# Altium PCB Passive_Sonar_Rev1.PcbDoc (part 1 of 2) (continued)
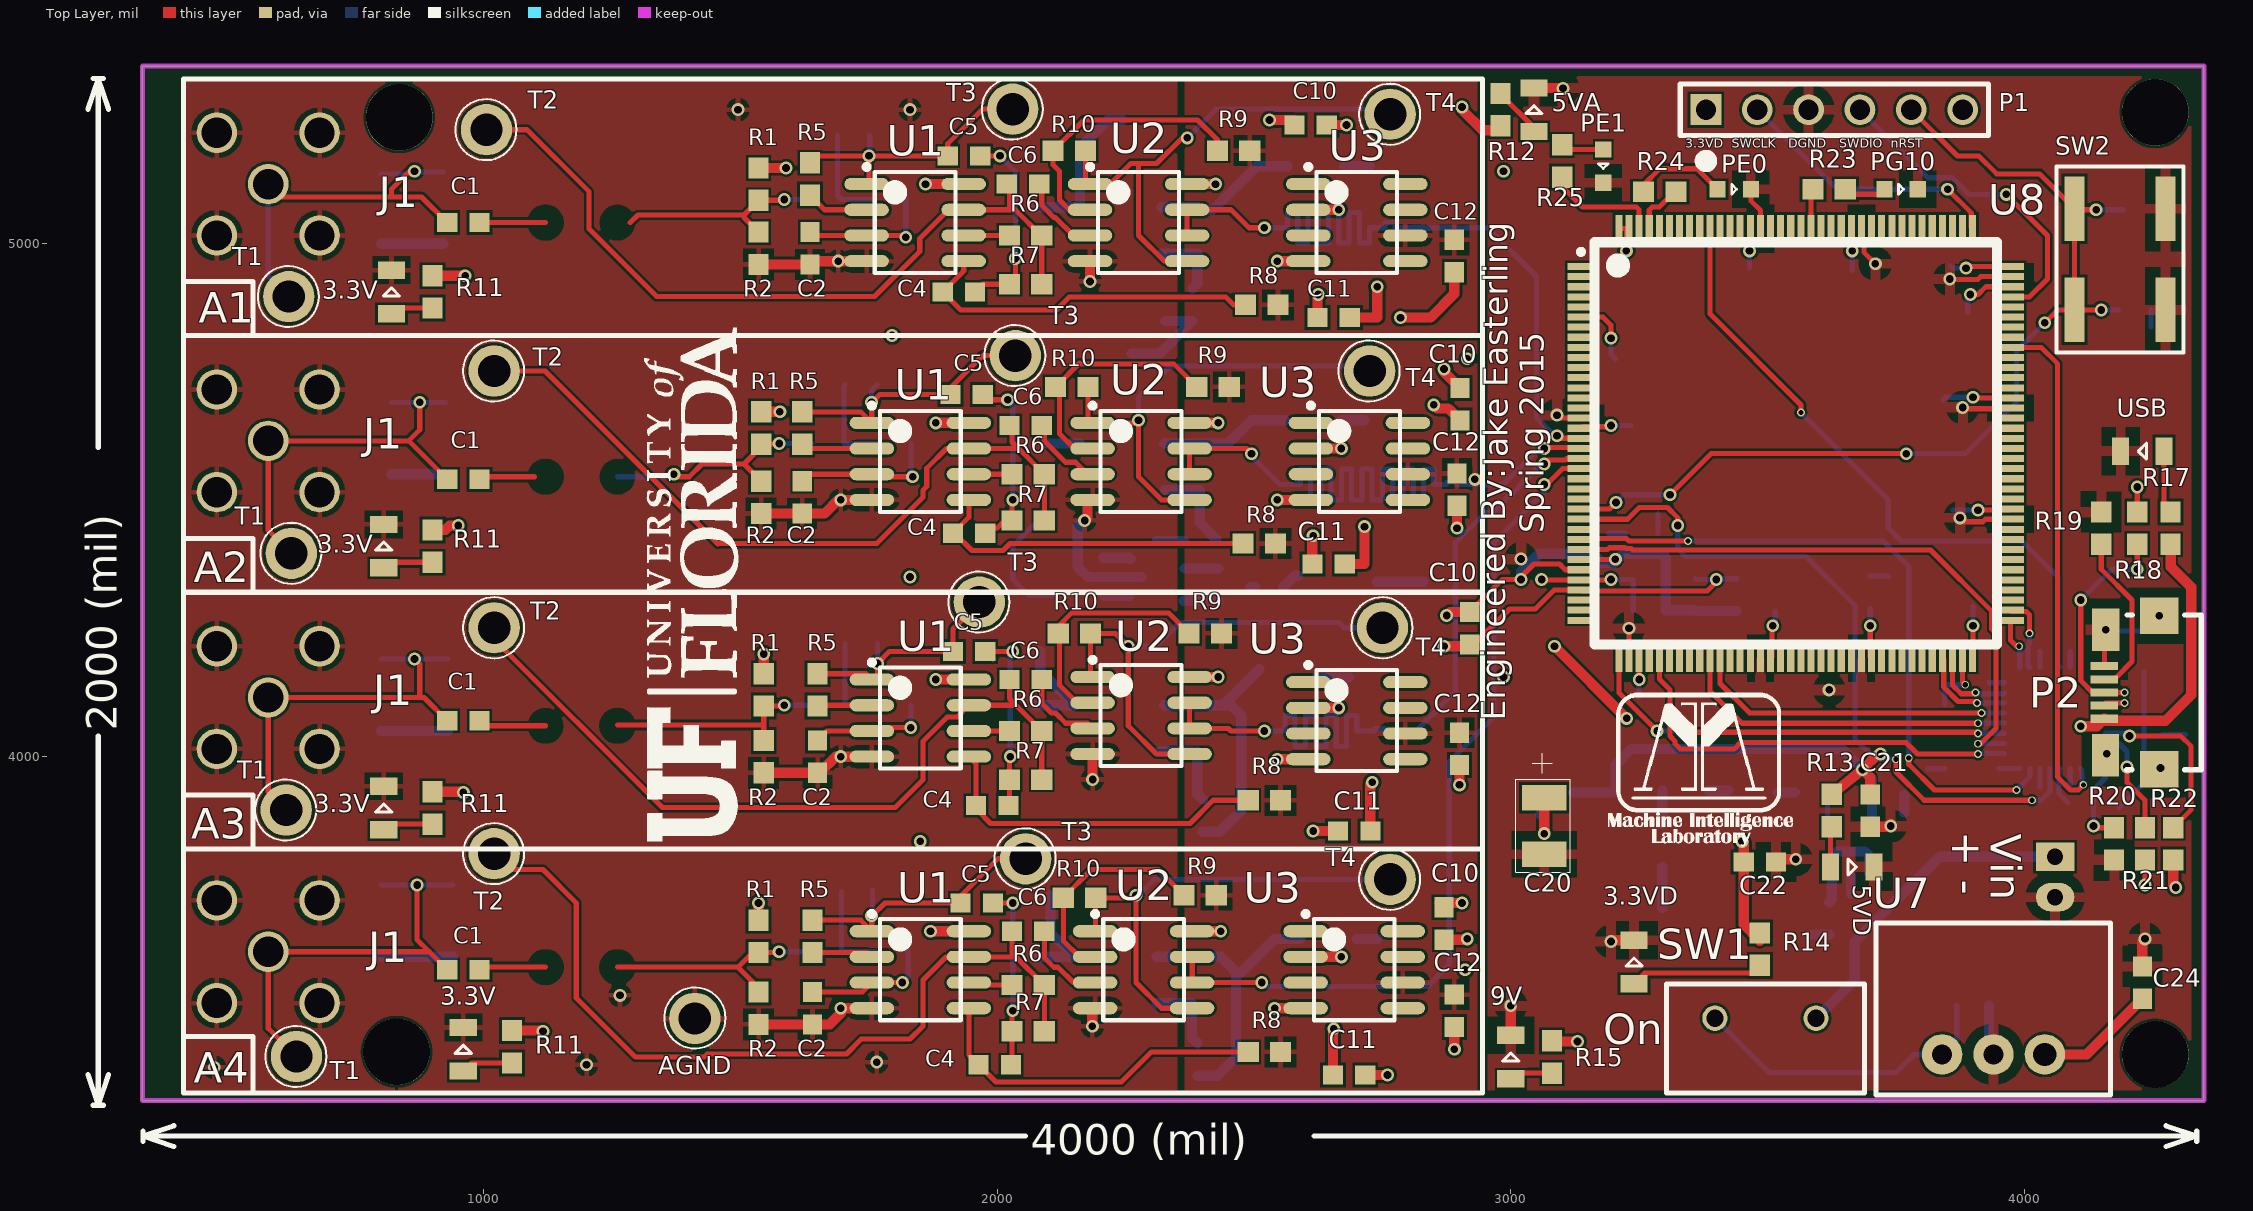
[diagram p0: Top Layer view]
## Components (designator, comment, footprint, x,y, rotation, side; value= is the part's Value field where it differs from the comment) (continued)
AGND "Test_Point" TP 1410,3490 r0 top (schematic designator T5)
C1 "Cap" CAPC0603 960,3585 r0 top
C1 "Cap" CAPC0603 960,4070 r0 top
C1 "Cap" CAPC0603 960,4540 r0 top
C1 "Cap" CAPC0603 960,5040 r0 top
C2 "Cap" CAPC0603 1640,3510 r270 top
C2 "Cap" CAPC0603 1650,4000 r270 top
C2 "Cap" CAPC0603 1620,4505 r270 top
C2 "Cap" CAPC0603 1635,4990 r270 top
C3 "Cap" CAPC0603 1725,3740 r0 bottom
C3 "Cap" CAPC0603 1735,4220 r0 bottom
C3 "Cap" CAPC0603 1735,4725 r0 bottom
C3 "Cap" CAPC0603 1720,5210 r0 bottom
C4 "Cap" CAPC0603 1995,3400 r0 top
C4 "Cap" CAPC0603 1990,3905 r0 top
C4 "Cap" CAPC0603 1945,4435 r0 top
C4 "Cap" CAPC0603 1925,4905 r0 top
C5 "Cap" CAPC0603 1960,3715 r180 top
C5 "Cap" CAPC0603 1945,4205 r180 top
C5 "Cap" CAPC0603 1940,4705 r180 top
C5 "Cap" CAPC0603 1935,5170 r180 top
C6 "Cap" CAPC0603 2060,3660 r0 top
C6 "Cap" CAPC0603 2055,4150 r0 top
C6 "Cap" CAPC0603 2055,4645 r0 top
C6 "Cap" CAPC0603 2050,5115 r0 top
C7 "CapPol" 1206 2645,3645 r180 bottom
C7 "CapPol" 1206 2565,4170 r180 bottom
C7 "CapPol" 1206 2615,4655 r180 bottom
C7 "CapPol" 1206 2620,5150 r180 bottom
C8 "Cap" CAPC0603 2135,3730 r180 bottom
C8 "Cap" CAPC0603 2115,4205 r180 bottom
C8 "Cap" CAPC0603 2230,4785 r0 bottom
C8 "Cap" CAPC0603 2275,5240 r180 bottom
C9 "Cap" CAPC0603 2390,3410 r270 bottom
C9 "Cap" CAPC0603 2400,3885 r270 bottom
C9 "Cap" CAPC0603 2395,4420 r180 bottom
C9 "Cap" CAPC0603 2380,4880 r270 bottom
C10 "Cap" CAPC0603 2870,3675 r90 top
C10 "Cap" CAPC0603 2920,4250 r90 top
C10 "Cap" CAPC0603 2901.18,4686.3 r90 top
C10 "Cap" CAPC0603 2610,5230 r0 top
C11 "Cap" CAPC0603 2685,3380 r0 top
C11 "Cap" CAPC0603 2695,3855 r180 top
C11 "Cap" CAPC0603 2645,4375 r180 top
C11 "Cap" CAPC0603 2655,4855 r180 top
C12 "Cap" CAPC0603 2890,3505 r270 top
C12 "Cap" CAPC0603 2900,4015 r270 top
C12 "Cap" CAPC0603 2895,4520 r270 top
C12 "Cap" CAPC0603 2890,4975 r270 top
C13 "Cap" CAPC0603 3735,3925 r0 bottom
C14 "Cap" CAPC0603 3090,3930 r180 bottom
C15 "Cap" CAPC0603 3620,3685 r270 bottom
C16 "Cap" CAPC0603 2365,4335 r90 bottom
C17 "Cap" CAPC0603 2430,4335 r90 bottom
C18 "Cap" CAPC0603 2525,4330 r0 bottom
C19 "Cap" CAPC0603 3845,4070 r270 bottom
C20 "CapPol" 1206 3065,3865 r270 top
C21 "Cap" CAPC0603 3700,3895 r270 top
C22 "Cap" CAPC0603 3485,3795 r0 top
C23 "Cap" CAPC0603 3900,3515 r0 bottom
C24 "Cap" CAPC0603 4230,3560 r90 top
C25 "Cap" CAPC0603 3890,4835 r270 bottom
C26 "Cap" CAPC0603 2125,4450 r0 bottom
C27 "Cap" CAPC0603 3585,3930 r180 bottom
C28 "Cap" CAPC0603 3465,4920 r270 bottom
C29 "Cap" CAPC0603 3225,4915 r270 bottom
C30 "Cap" CAPC0603 3235,4775 r0 bottom
C31 "Cap" CAPC0603 3265,4645 r0 bottom
C32 "Cap" CAPC0603 3255,4435 r0 bottom
C33 "Cap" CAPC0603 4225,5065 r0 bottom
C34 "Cap" CAPC0603 3845,3945 r270 bottom
C35 "Cap" CAPC0603 4143.5,4245 r180 bottom
C36 "Cap" CAPC0603 3250,4085 r270 bottom
C37 "Cap" CAPC0603 3515,4315 r90 bottom
C38 "Cap" CAPC0603 3700,4320 r90 bottom
C39 "Cap" CAPC0603 3900,4325 r90 bottom
C40 "Cap" CAPC0603 3830,4480 r180 bottom
C41 "Cap" CAPC0603 3810,4695 r180 bottom
C42 "Cap" CAPC0603 3825,4955 r180 bottom
C43 "Cap" CAPC0603 3665,4915 r270 bottom
C44 "Cap" CAPC0603 3270,4345 r0 bottom
C45 "Cap" CAPC0603 3270,4285 r0 bottom
C46 "Cap" CAPC0603 3360,4315 r270 bottom
C47 "Cap" CAPC0603 3440,4315 r270 bottom
C48 "Cap" CAPC0603 4275,4245 r0 bottom
C49 "Cap" CAPC0603 4280,4165 r0 bottom
D1 "1N4148W" SOD-123 800,5070 r270 bottom
D1 "1N4148W" SOD-123 800,3680 r270 bottom
D1 "1N4148W" SOD-123 800,4120 r270 bottom
D1 "1N4148W" SOD-123 820,4620 r270 bottom
D2 "1N4148W" SOD-123 921.43,5068.7 r90 bottom
D2 "1N4148W" SOD-123 940,3680 r90 bottom
D2 "1N4148W" SOD-123 930,4120 r90 bottom
D2 "1N4148W" SOD-123 925,4620 r90 bottom
J1 "MCX_Female_RA" MCX_Female 580,5115 r0 top
J1 "MCX_Female_RA" MCX_Female 580,4615 r0 top (schematic designator J2)
J1 "MCX_Female_RA" MCX_Female 580,4115 r0 top (schematic designator J3)
J1 "MCX_Female_RA" MCX_Female 580,3620 r0 top (schematic designator J4)
J5 "2-pin Horz Sherlock" MOLEX-HDR-1X2-SHERLOCK-HORZ 4060,3805 r90 bottom
MIL "MIL LOGO" "MIL LOGO - 500" 3190,3825 r0 top
NT1 "S.C." NET_TIE 2910,3585 r0 top
NT2 "S.C." NET_TIE 2910,4155 r0 top
NT3 "S.C." NET_TIE 2915,4775 r0 top
NT4 "S.C." NET_TIE 2910,5140 r0 top
P1 "SWD" SWD_STM32 3380,5260 r90 top
P2 "USB Micro" 10118192-0001LF 4135,4125 r90 top
PE0 "LED" LED0603 3435,5105 r0 top (schematic designator LED7)
PE1 "LED" LED0603 3180,5150 r270 top (schematic designator LED8)
PG10 "LED" LED0603 3760,5105 r0 top (schematic designator LED6)
R1 "Res" RES0603 1535,3650 r270 top
R1 "Res" RES0603 1545,4130 r270 top
R1 "Res" RES0603 1540,4640 r270 top
R1 "Res" RES0603 1535,5115 r270 top
R2 "Res" RES0603 1535,3510 r270 top
R2 "Res" RES0603 1545,4000 r270 top
R2 "Res" RES0603 1540,4505 r270 top
R2 "Res" RES0603 1535,4990 r270 top
R3 "Res" RES0603 1665,3620 r0 bottom
R3 "Res" RES0603 1670,4100 r0 bottom
R3 "Res" RES0603 1670,4610 r0 bottom
R3 "Res" RES0603 1665,5085 r0 bottom
R4 "Res" RES0603 1795,3620 r0 bottom
R4 "Res" RES0603 1800,4100 r0 bottom
R4 "Res" RES0603 1800,4610 r0 bottom
R4 "Res" RES0603 1790,5085 r0 bottom
R5 "Res" RES0603 1640,3650 r90 top
R5 "Res" RES0603 1650,4130 r90 top
R5 "Res" RES0603 1620,4640 r90 top
R5 "Res" RES0603 1635,5125 r90 top
R6 "Res" RES0603 2060,3555 r0 top
R6 "Res" RES0603 2055,4050 r0 top
R6 "Res" RES0603 2060,4550 r0 top
R6 "Res" RES0603 2055,5015 r0 top
R7 "Res" RES0603 2060,3465 r180 top
R7 "Res" RES0603 2055,3955 r180 top
R7 "Res" RES0603 2060,4460 r180 top
R7 "Res" RES0603 2055,4920 r180 top
R8 "Res" RES0603 2520,3425 r0 top
R8 "Res" RES0603 2520,3915 r0 top
R8 "Res" RES0603 2510,4415 r0 top
R8 "Res" RES0603 2515,4880 r0 top
R9 "Res" RES0603 2395,3730 r180 top
R9 "Res" RES0603 2405,4240 r180 top
R9 "Res" RES0603 2420,4720 r180 top
R9 "Res" RES0603 2460,5180 r180 top
R10 "Res" RES0603 2160,3725 r0 top
R10 "Res" RES0603 2150,4240 r0 top
R10 "Res" RES0603 2145,4720 r0 top
R10 "Res" RES0603 2140,5180 r0 top
R11 "Res" RES0603 1055,3435 r270 top
R11 "Res" RES0603 900,3900 r270 top
R11 "Res" RES0603 900,4410 r270 top
R11 "Res" RES0603 900,4905 r270 top
R12 "Res" RES0603 2980,5260 r90 top
R13 "Res" RES0603 3625,3895 r270 top
R14 "Res" RES0603 3485,3625 r270 top
R15 "Res" RES0603 3080,3415 r270 top
R16 "Res" RES0603 4215,4870 r180 bottom
R17 "Res" RES0603 4285,4445 r270 top
R18 "Res" RES0603 4220,4445 r270 top
R19 "Res" RES0603 4150,4445 r90 top
R20 "Res" RES0603 4175,3830 r270 top
R21 "Res" RES0603 4235,3830 r270 top
R22 "Res" RES0603 4290,3830 r270 top
R23 "Res" RES0603 3620,5105 r180 top
R24 "Res" RES0603 3290,5100 r0 top
R25 "Res" RES0603 3100,5160 r270 top
SW1 "360-2610-ND" AS11CP -44260,-45415 r180 top
SW2 "PBSW" PBSW 4275,4870 r90 top
T1 "Test_Point" TP 635,3415 r90 top
T1 "Test_Point" TP 615,3895 r90 top
T1 "Test_Point" TP 625,4395 r90 top
T1 "Test_Point" TP 620,4895 r90 top
T2 "Test_Point" TP 1020,3810 r90 top
T2 "Test_Point" TP 1020,4250 r90 top
T2 "Test_Point" TP 1020,4750 r90 top
T2 "Test_Point" TP 1005,5220 r90 top
T3 "Test_Point" TP 2055,3800 r90 top
T3 "Test_Point" TP 1965,4300 r90 top
T3 "Test_Point" TP 2035,4780 r90 top
T3 "Test_Point" TP 2030,5260 r90 top
T4 "Test_Point" TP 2765,3760 r90 top
T4 "Test_Point" TP 2750,4250 r90 top
T4 "Test_Point" TP 2725,4750 r90 top
T4 "Test_Point" TP 2765,5250 r90 top
U1 "LT1632" SOIC127P600-8N 1850,3585 r0 top
U1 "LT1632" SOIC127P600-8N 1850,4075 r0 top
U1 "LT1632" SOIC127P600-8N 1850,4575 r0 top
U1 "LT1632" SOIC127P600-8N 1840,5040 r0 top
U2 "LT1632" SOIC127P600-8N 2285,3585 r0 top
U2 "LT1632" SOIC127P600-8N 2280,4080 r0 top
U2 "LT1632" SOIC127P600-8N 2280,4575 r0 top
U2 "LT1632" SOIC127P600-8N 2275,5040 r0 top
U3 "REF192FSZ-ND 2.5V Ref" SOIC2.5-8n 2695,3585 r0 top
U3 "REF192FSZ-ND 2.5V Ref" SOIC2.5-8n 2700,4070 r0 top
U3 "REF192FSZ-ND 2.5V Ref" SOIC2.5-8n 2705,4575 r0 top
U3 "REF192FSZ-ND 2.5V Ref" SOIC2.5-8n 2700,5040 r0 top
U4 "3.3V LDO Reg" SOT23-4n 2275,5065 r180 bottom
U4 "3.3V LDO Reg" SOT23-4n 2265,3610 r180 bottom
U4 "3.3V LDO Reg" SOT23-4n 2275,4100 r180 bottom
U4 "3.3V LDO Reg" SOT23-4n 2280,4610 r180 bottom
U5 "LP2992" SOT23-5 2160,4350 r180 bottom
U6 "LP2992" SOT23-5 3662.5,3815 r90 bottom
U7 "R-78C9.0-1.0" R-78C12-1.0 3840,3420 r0 top
U8 "STM32F407" LQFP-144 3555,4610 r0 top
U9 "USB3320C" QFN-32 4060,4075 r0 bottom
U10 "MCP1700T" SOT23-3 4273.58,4043.06 r180 bottom
U15 "3.3V LDO Reg" SOT23-4n 3295,3820 r270 bottom
USB "LED" LED0805 4230,4595 r180 top

## Footprints (in the part's own frame and the unit in brackets; to place one, negate y for a bottom-side part, rotate by r counter-clockwise, add the part's x,y. Pads: shape width x height; smd on the part's side, far side on the other; paste and mask are expansions set on the pad)
1206 [mil]
  rect 50x87 smd: 1(-55,0) 2(55,0)
  silkscreen extent -142,-55 91,51, body extent -75,-43 75,43, height 75
10118192-0001LF [mm] "USB Micro-B Recepticle"
  rect 0.4x1.35 smd: 1(-1.3,-0.533) 2(-0.65,-0.533) 3(0,-0.533) 4(0.65,-0.533) 5(1.3,-0.533)
  rect 1.8x1.9 smd: SHD(-3.8,-3.248) SHD(3.8,-3.248)
  rect 2.1x1.35 smd: SHD(-3.1,-0.584) SHD(3.1,-0.598)
  silkscreen extent -3.83,-5.33 3.83,-1.63, body extent -3.96,-5.98 3.96,-0.32, height 3.09
AS11CP [mm] "SPST Slide Switch"
  round 1.25 hole 0.85: 1(-1215.5,-1242.2) 2(-1210.5,-1242.2)
  silkscreen extent -1217.9,-1243.9 -1208.1,-1238.5, body extent -1218,-1243.8 -1208.2,-1238.42, height 12.9
CAPC0603 [mm] "Chip Capacitor, 2-Leads, Body 1.60x0.80mm, IPC Medium Density"
  rect 1x0.95 smd: 1(-0.8,0) 2(0.8,0)
  body extent -0.88,-0.48 0.87,0.48, height 0.8
LED0603 [mm] "Chip LED, 2-Leads, Body 1.60x0.80mm, IPC Medium Density"
  rect 0.8x0.8 smd: A(-0.825,0) C(0.825,0)
  silkscreen extent -0.13,-0.25 0.12,0.25, body extent -0.88,-0.48 0.87,0.47, height 0.8
LED0805 [mm] "Chip LED, 2-Leads, Body 2.00x1.25mm, IPC Medium Density"
  rect 0.85x1.35 smd: A(-1.075,0) C(1.075,0)
  silkscreen extent -0.2,-0.4 0.2,0.4, body extent -1,-0.63 1,0.63, height 0.75
LQFP-144 [mm] "For STM32F407"
  rect 1.35x0.35 smd: 1(-10.625,8.75) 2(-10.625,8.25) 3(-10.625,7.75) 4(-10.625,7.25) 5(-10.625,6.75) 6(-10.625,6.25) 7(-10.625,5.75) 8(-10.625,5.25) 9(-10.625,4.75) 10(-10.625,4.25) 11(-10.625,3.75) 12(-10.625,3.25) 13(-10.625,2.75) 14(-10.625,2.25) 15(-10.625,1.75) 16(-10.625,1.25) 17(-10.625,0.75) 18(-10.625,0.25) 19(-10.625,-0.25) 20(-10.625,-0.75) 21(-10.625,-1.25) 22(-10.625,-1.75) 23(-10.625,-2.25) 24(-10.625,-2.75) 25(-10.625,-3.25) 26(-10.625,-3.75) 27(-10.625,-4.25) 28(-10.625,-4.75) 29(-10.625,-5.25) 30(-10.625,-5.75) 31(-10.625,-6.25) 32(-10.625,-6.75) 33(-10.625,-7.25) 34(-10.625,-7.75) 35(-10.625,-8.25) 36(-10.625,-8.75) 73(10.625,-8.75) 74(10.625,-8.25) 75(10.625,-7.75) 76(10.625,-7.25) 77(10.625,-6.75) 78(10.625,-6.25) 79(10.625,-5.75) 80(10.625,-5.25) 81(10.625,-4.75) 82(10.625,-4.25) 83(10.625,-3.75) 84(10.625,-3.25) 85(10.625,-2.75) 86(10.625,-2.25) 87(10.625,-1.75) 88(10.625,-1.25) 89(10.625,-0.75) 90(10.625,-0.25) 91(10.625,0.25) 92(10.625,0.75) 93(10.625,1.25) 94(10.625,1.75) 95(10.625,2.25) 96(10.625,2.75) 97(10.625,3.25) 98(10.625,3.75) 99(10.625,4.25) 100(10.625,4.75) 101(10.625,5.25) 102(10.625,5.75) 103(10.625,6.25) 104(10.625,6.75) 105(10.625,7.25) 106(10.625,7.75) 107(10.625,8.25) 108(10.625,8.75)
  rect 0.35x1.35 smd: 37(-8.75,-10.625) 38(-8.25,-10.625) 39(-7.75,-10.625) 40(-7.25,-10.625) 41(-6.75,-10.625) 42(-6.25,-10.625) 43(-5.75,-10.625) 44(-5.25,-10.625) 45(-4.75,-10.625) 46(-4.25,-10.625) 47(-3.75,-10.625) 48(-3.25,-10.625) 49(-2.75,-10.625) 50(-2.25,-10.625) 51(-1.75,-10.625) 52(-1.25,-10.625) 53(-0.75,-10.625) 54(-0.25,-10.625) 55(0.25,-10.625) 56(0.75,-10.625) 57(1.25,-10.625) 58(1.75,-10.625) 59(2.25,-10.625) 60(2.75,-10.625) 61(3.25,-10.625) 62(3.75,-10.625) 63(4.25,-10.625) 64(4.75,-10.625) 65(5.25,-10.625) 66(5.75,-10.625) 67(6.25,-10.625) 68(6.75,-10.625) 69(7.25,-10.625) 70(7.75,-10.625) 71(8.25,-10.625) 72(8.75,-10.625) 109(8.75,10.625) 110(8.25,10.625) 111(7.75,10.625) 112(7.25,10.625) 113(6.75,10.625) 114(6.25,10.625) 115(5.75,10.625) 116(5.25,10.625) 117(4.75,10.625) 118(4.25,10.625) 119(3.75,10.625) 120(3.25,10.625) 121(2.75,10.625) 122(2.25,10.625) 123(1.75,10.625) 124(1.25,10.625) 125(0.75,10.625) 126(0.25,10.625) 127(-0.25,10.625) 128(-0.75,10.625) 129(-1.25,10.625) 130(-1.75,10.625) 131(-2.25,10.625) 132(-2.75,10.625) 133(-3.25,10.625) 134(-3.75,10.625) 135(-4.25,10.625) 136(-4.75,10.625) 137(-5.25,10.625) 138(-5.75,10.625) 139(-6.25,10.625) 140(-6.75,10.625) 141(-7.25,10.625) 142(-7.75,10.625) 143(-8.25,10.625) 144(-8.75,10.625)
  silkscreen extent -10.75,-9.95 9.95,9.95, body extent -9.95,-9.95 9.95,9.95, height 1.6
MCX_Female [mm] "MCX_female CONN JACK RCPT R/A"
  round 2 hole 1.5: 1(0,0) 2(-2.54,-2.54) 2(-2.54,2.54) 2(2.54,-2.54) 2(2.54,2.54)
  body extent -2.95,-3.07 6.55,2.93, height 5.9
"MIL LOGO - 500" [mil]
  silkscreen extent 0,0 359,299
MOLEX-HDR-1X2-SHERLOCK-HORZ [mm]
  rect 1.397x1.905 hole 0.8: 1(0,0)
  oval 1.397x1.905 hole 0.8: 2(-2,0)
  silkscreen extent -4.83,-1.91 2.92,6.98, body extent -4.83,-1.9 2.87,8.6, height 5.54
NET_TIE [mm] "Connects two nets together"
  rect 1x1 on Mid2: 1(0,0) 2(1.975,0)
  Ground lines w0.525: 0.025,0 1.925,0
PBSW [mm]
  rect 3.2x1 smd: 1(0,0) 2(5,0) 3(5,4.5) 4(0,4.5)
  silkscreen extent -2.1,-0.9 7.1,5.4, body extent -2,-0.75 7,5.25, height 5
QFN-32 [mm] "QFN, 32-Leads, Body 5.00x5.00mm, Pitch 0.50mm, Thermal Pad 3.30x3.30mm, IPC Medium Density"
  rect 0.8x0.28 smd: 1(-2.5,1.75) 2(-2.5,1.25) 3(-2.5,0.75) 4(-2.5,0.25) 5(-2.5,-0.25) 6(-2.5,-0.75) 7(-2.5,-1.25) 8(-2.5,-1.75) 17(2.5,-1.75) 18(2.5,-1.25) 19(2.5,-0.75) 20(2.5,-0.25) 21(2.5,0.25) 22(2.5,0.75) 23(2.5,1.25) 24(2.5,1.75)
  rect 0.28x0.8 smd: 9(-1.75,-2.5) 10(-1.25,-2.5) 11(-0.75,-2.5) 12(-0.25,-2.5) 13(0.25,-2.5) 14(0.75,-2.5) 15(1.25,-2.5) 16(1.75,-2.5) 25(1.75,2.5) 26(1.25,2.5) 27(0.75,2.5) 28(0.25,2.5) 29(-0.25,2.5) 30(-0.75,2.5) 31(-1.25,2.5) 32(-1.75,2.5)
  rect 3.3x3.3 smd: 33(0,0)
  silkscreen extent -3.47,-2.7 2.7,2.7, body extent -2.62,-2.59 2.59,2.62, height 1.22
R-78C12-1.0 [mm] "CONV DC/DC 1A 12V OUT SIP VERT"
  round 2 hole 1: 1(0,0) 2(2.54,0)
  round 2 hole 1.15: 3(5.08,0)
  silkscreen extent -3.26,-2 8.34,6.5, body extent -3.2,-1.9 8.3,6.5, height 10.8
RES0603 [mm] "Chip Resistor, 2-Leads, Body 1.60x0.80mm, IPC Medium Density"
  rect 1.05x1 smd: 1(-0.8,0) 2(0.8,0)
  body extent -0.88,-0.48 0.87,0.47, height 0.8
SOD-123 [mm] "For 1N4148W Diode"
  rect 0.85x0.85 smd: 1(-1.778,0) 2(1.778,0)
  silkscreen extent -1.65,-0.89 1.65,1.02
SOIC2.5-8n [mm] "For 2.5V ref IC"
  oval 2.2x0.6 smd: 1(-2.4,1.905) 2(-2.4,0.635) 3(-2.4,-0.635) 4(-2.4,-1.905) 5(2.4,-1.905) 6(2.4,-0.635) 7(2.4,0.635) 8(2.4,1.905)
  silkscreen extent -2.52,-2.5 2,2.88, body extent -2,-2.5 2,2.5, height 1.75
SOIC127P600-8N [mm] "For LT1632"
  oval 2.2x0.6 smd: 1(-2.4,1.905) 2(-2.4,0.635) 3(-2.4,-0.635) 4(-2.4,-1.905) 5(2.4,-1.905) 6(2.4,-0.635) 7(2.4,0.635) 8(2.4,1.905)
  silkscreen extent -2.52,-2.5 2,2.88, body extent -2,-2.5 2,2.5, height 1.76
SOT23-3 [mm] "For 1.8V LDO"
  rect 0.65x1.05 smd: 1(-0.95,-2.323) 2(0.95,-2.323) 3(0,-0.025)
  silkscreen extent -1.52,-1.52 1.52,-0.76, body extent -1.47,-1.91 1.52,-0.36, height 1
SOT23-4n [mm] "SOT223, 4-Leads, Body 6.50x7.00mm (avg), Pitch 2.30mm, IPC Medium Density"
  rect 2.4x1 smd: 1(-2.9,2.3) 2(-2.9,0) 3(-2.9,-2.3)
  rect 2.4x3.2 smd: 4(2.9,0)
  silkscreen extent -3.03,-3.35 1.4,3.47, body extent -1.85,-3.35 1.85,3.35, height 1.7
SOT23-5 [mm] "Used for LP2992"
  rect 1.1x0.6 smd: 1(-1.2,0.95) 2(-1.2,0) 3(-1.2,-0.95) 4(1.2,-0.95) 5(1.2,0.95)
  silkscreen extent -1.33,-1.55 0.25,1.92, body extent -0.87,-1.52 0.87,1.53, height 0.25
SWD_STM32 [mil] "SWD connector matching the pinout on STM Discovery Boards"
  rect 60x60 hole 39.37: 1(0,0)
  round 60 hole 39.37: 2(0,-100) 3(0,-200) 4(0,-300) 5(0,-400) 6(0,-500)
  silkscreen extent -110,-550 50,50
TP [mm]
  round 2.54 hole 1.6: 1(0.025,0)
  silkscreen extent -1.48,-1.49 1.54,1.54, body extent -1.59,-1.59 1.59,1.59, height 5.58
"UF LOGO-1000" [mil]
  silkscreen extent 0,0 1000,183

## Part data
AGND T1 T1 T1 T1 T2 T2 T2 T2 T3 T3 T3 T3 T4 T4 T4 T4: "TEST POINT PC COMPACT .063\"D"
D1 D1 D1 D1 D2 D2 D2 D2: "DIODE GEN PURP 75V 150MA SOD123"
J1 J1 J1 J1: "CONN MCX JACK R/A 50 OHM PCB"
J5: library part MOLEX-HDR-1x2-SHERLOCK_RA, "Header, Molex, 2mm Pitch Sherlock Header, Single Row, Horizontal, 2 Circuits, Length 3.3mm,  0353630260"
NT1 NT2 NT3 NT4: library part Net_Tie
P1: library part SWD_STM32, "SWD connector matching the pinout on STM Discovery Boards"
P2: "USB Mini B Metal Shield SMT"
SW1: library part AS11CP, "SWITCH SLIDE SPST 0.4VA 28V"
SW2: library part SW-PB, "Push Button Switch"
U1 U1 U1 U1 U2 U2 U2 U2: "IC OPAMP GP 45MHZ RRO 8SO"
U3 U3 U3 U3: library part Ref2.5V, "IC VREF SERIES 2.5V 8SOIC"
U4 U4 U4 U4 U15: library part LM3940IMPX-3.3, "IC REG LDO 3.3V 1A SOT223"
U5 U6: "IC REG LDO 5V 0.25A SOT23-5"
U7: library part R-78C9-1.0, "945-1396-5-ND"
U8: library part STM32F407ZGT6, "IC MCU 32BIT 1MB FLASH 144LQFP"
U9: "MULTI-FREQ USB 2.0 ULPI PHY"
U10: library part "LDO 1.8V", "IC REG LDO 1.8V 0.2A SOT23-3"

## Free pads (board coordinates)
  round 130 hole 130: ""(830,3425) ""(835,5245) ""(4255,3420) ""(4255,5255)

## Via types
v1: diameter 25, hole 15, Top Layer to Bottom Layer, tented both sides, 79 vias
v2: diameter 25, hole 15, Top Layer to Ground, tented top, 46 vias
v3: diameter 25, hole 15, Top Layer to Power, tented top, 41 vias
v4: diameter 25, hole 15, Ground to Bottom Layer, tented bottom, 34 vias
v5: diameter 25, hole 15, Power to Bottom Layer, tented bottom, 29 vias
v6: diameter 15, hole 10, Top Layer to Bottom Layer, tented both sides, 19 vias
v7: diameter 25, hole 15, Top Layer to Bottom Layer, 1 vias

## Nets (pads, with @x,y where several pads share a name; then routed paths per layer and width w, separated by ;. In a path a pad name is that pad's centre, name@x,y a point inside that pad or via, vN(x,y) a via of type N, cw(c..) or ccw(c..) an arc to the next point about the centre after c; other vN are vias at no path point)
1: 
1.8V: C49.1 U9.28 U9.30 U10.2 | length 577.7
  Power w10: v5(4025,3940) 4060,3905 v5@4190,3905
  Bottom Layer w10: v5@4030.47,3940.47 U9.30@4030.47,3976.57 ; U9.28@4069.84,3976.57 4067.5,3974.23 4067.5,3927.5 v5(4085,3910) ; v5(4185,3900) 4185,3900.42 U10.2@4236.18,3951.6 4233.5,3954.28 C49.1@4233.5,4165
2.5VREF: C12.1@2895,4551.5 C44.1 C45.1 R8.2@2541.5,4415 R9.1@2451.5,4720 U3.6@2799.49,4550 U8.32 | length 486.6
  Top Layer w10: v3@3060,4344.25 U8.32@3136.69,4344.25 v1@3189.25,4344.25
  Power w10: v3(2930,4540) 3060,4410 v3(3060,4345)
  Bottom Layer w10: v1@3190,4345 v1(3195,4345) C44.1@3238.5,4345 C45.1@3238.5,4285
3: 
3.3VA1: C7.1 C9.1 C10.1 C11.1 C46.1 C47.1 R1.1 R11.1 U1.8 U2.8 U3.2 U4.3 U8.33 | length 7659.3
  Top Layer w10: C10.1@2920,4218.5 2928.5,4218.5 2997.5,4287.5 3047.5,4287.5 3084.57,4324.57 U8.33@3136.69,4324.57 3138.76,4322.5 3382.5,4322.5 3400,4340 v1(3400,4345)
  Top Layer w20: R11.1@900,3931.5 v3@958.5,3931.5 ; R11.1@900,4441.5 925,4441.5 933.5,4450 v3(950,4450) ; R11.1@900,4936.5 v3(963.5,4936.5) ; R11.1@1055,3466.5 v3@1113.5,3466.5 ; R1.1@1535,3681.5 v3(1535,3715) ; R1.1@1535,5146.5 v3(1588.5,5146.5) ; R1.1@1540,4671.5 v3(1576.5,4671.5) ; R1.1@1545,4161.5 v3(1545,4200) ; v3@1864.49,5115 U1.8@1925,5115 ; v3(1870,3660) U1.8@1944.49,3660 ; v3@1879.49,4650 U1.8@1945,4650 ; v3@1883.98,4150 U1.8@1944.49,4150 ; U2.8@2369.49,3660 v3(2435,3660) ; U2.8@2369.49,4155 v3(2430,4155) ; U2.8@2369.49,4650 v3(2430,4650) ; U2.8@2369.49,5115 v3(2425,5115) ; v3(2530,5240) C10.1@2578.5,5240 ; U3.2@2605.51,3610 v3(2670,3610) ; U3.2@2605.51,4095 v3(2665,4095) ; U3.2@2610.51,4600 v3(2670,4600) ; U3.2@2610.51,5065 v3(2665,5065) ; C11.1@2653.5,3380 v3@2653.5,3468.5 ; C11.1@2676.5,4375 2715,4375 v3(2715,4447.94) ; C11.1@2686.5,4855 2740,4855 v3(2740,4915) ; C11.1@2726.5,3855 2726.5,3946.5 v3(2730,3950) ; v3(2850,4685) 2856.89,4678.11 2877.87,4678.11 C10.1@2901.18,4654.8 ; C10.1@2870,3643.5 2913.5,3643.5 v3(2915,3645) ; v3@2876.5,4215 C10.1@2905,4215
  Power w20: v3(950,4450) 950,4445 975,4470 1005,4470 ; v3(960,3930) 1035,4005 1458.5,4005 1545,4091.5 v3(1545,4200) ; v3@970,4930 v3(963.5,4936.5) 963.5,4938.5 1005,4980 1525,4980 1525,5075 1588.5,5138.5 v3(1588.5,5146.5) ; 1000,4470 1005,4470 ; v3(1115,3465) 1285,3465 v3(1535,3715) ; v3(1576.5,4671.5) 1566.5,4671.5 1490,4595 1490,4525 1435,4470 1005,4470 ; v3(2425,5115) 2460,5115 2530,5185 v3(2530,5240) ; v3(2670,3610) 2705,3645 v5(2740,3645) v3(2915,3645) 2915,3655 2870,3700 2870,3770 2755,3885 2755,3925 v3(2730,3950) ; v5(2685,4155) 2705,4135 2790,4135 v3(2870,4215) 2835,4250 2835,4285 2780,4340 2780,4415 2747.06,4447.94 v3(2715,4447.94) ; v3(2740,4915) 2740,4845 2745,4845 2805,4785 2805,4730 v3(2850,4685)
  Bottom Layer w10: C46.1@3360,4346.5 3361.5,4345 v1@3395,4345 ; v1(3400,4345) 3401.5,4346.5 C47.1@3440,4346.5
  Bottom Layer w20: v5@2310.55,3519.45 U4.3@2379.17,3519.45 2379.17,3452.32 C9.1@2390,3441.5 ; v5@2315.55,4009.45 U4.3@2379.17,4009.45 ; v5(2320.55,4979.45) 2389.17,4979.45 2389.17,4920.67 C9.1@2380,4911.5 ; v5@2325.55,4519.45 U4.3@2389.17,4519.45 ; U4.3@2389.17,4009.45 2389.17,3927.32 C9.1@2400,3916.5 ; U4.3@2394.17,4519.45 2394.17,4456 C9.1@2426.5,4423.68 ; C7.1@2620.62,4154.17 v5@2684.17,4154.17 ; C7.1@2670,4655 v5@2715,4655 ; C7.1@2675,5150 v5(2725,5150) ; C7.1@2700,3645 v5(2740,3645)
  other v3: 2655,3470 1880,4150 1880,4650 1860,5115
  other v5: 2310,3520 2315,4010 2325,4520 2715,4655.83
3.3VD: C20.1 C22.1 C28.1 C29.1 C30.1 C31.1 C32.1 C34.1 C35.1 C36.1 C37.1 C38.1 C39.1 C40.1 C41.1 C42.1 C43.1 C48.1 P1.1 R14.1 R16.1 R18.1 R21.2 U8.6 U8.17 U8.30 U8.39 U8.52 U8.62 U8.72 U8.84 U8.95 U8.108 U8.121 U8.131 U8.143 U8.144 U9.8 U9.11 U9.14 U9.20 U9.21 U9.27 U9.32 U10.3 U15.3 | length 2147
  Top Layer w10: U8.30@3136.69,4383.62 v3@3203.62,4383.62 ; U8.17@3136.69,4639.53 3139.49,4642.32 3192.32,4642.32 v1(3195,4645) ; U8.6@3136.69,4856.06 3178.94,4856.06 3195,4840 v1(3195,4815) ; U8.144@3210.51,5028.31 U8.143@3230.2,5028.31 3225,5023.11 v1(3225,4985) ; U8.39@3249.88,4191.69 3249.88,4150.12 v1(3250,4150) ; v1(3465,4985) 3465,5026.89 U8.131@3466.42,5028.31 ; U8.52@3505.79,4191.69 3508.58,4194.49 3508.58,4253.58 v1(3510,4255) ; U8.121@3663.27,5028.31 3665,5026.57 v1(3665,4985) ; v1(3700,4255) 3700,4194.33 U8.62@3702.64,4191.69 ; v1(3886.61,4951.39) 3889.71,4954.49 U8.108@3973.31,4954.49 ; U8.72@3899.49,4191.69 3900,4192.2 v1(3900,4255) ; v1@3901.42,4698.58 U8.95@3973.31,4698.58 ; v1(3910,4480) 3971.26,4480 U8.84@3973.31,4482.05 ; R18.1@4220,4476.5 v3(4220,4525) ; v3(4235,3750) R21.2@4235,3798.5
  Top Layer w20: v3(3065,3850) C20.1@3065,3929.17 ; v3@3453.5,3833.5 3453.5,3672.99 R14.1@3485,3641.5
  Bottom Layer w10: v5(3190,4435) C32.1@3223.5,4435 ; v1(3195,4645) C31.1@3233.5,4645 ; v1(3195,4815) 3195,4783.5 C30.1@3203.5,4775 ; C29.1@3225,4946.5 v1(3225,4985) ; C36.1@3250,4116.5 v1(3250,4150) v1@3250,4155 ; C28.1@3465,4951.5 v1(3465,4985) ; v1(3510,4255) 3515,4260 C37.1@3515,4283.5 ; C43.1@3665,4946.5 v1(3665,4985) ; v1(3700,4255) C38.1@3700,4288.5 ; v5@3811.5,3976.5 C34.1@3845,3976.5 ; C41.1@3841.5,4695 3846.5,4700 v1(3900,4700) ; C42.1@3856.5,4955 3860.11,4951.39 v1(3886.61,4951.39) ; C40.1@3861.5,4480 v1(3910,4480) ; v1(3900,4255) C39.1@3900,4293.5 ; v5@3931.1,4143.9 U9.8@3961.57,4143.9 ; v5@3950,3976.57 U9.32@3991.1,3976.57 ; v5(4030,4205) 4030.47,4204.53 U9.11@4030.47,4173.43 ; v5@4089.53,3945.47 U9.27@4089.53,3976.57 ; U9.14@4089.53,4173.43 v5(4089.53,4204.53) ; 4145,4075 v5(4190,4075) ; C35.1@4175,4245 C48.1@4243.5,4245 ; v5@4246.5,4836.5 R16.1@4246.5,4870 ; U10.3@4269.58,4043.06 v5(4313.58,4043.06)
  Bottom Layer w20: U15.3@3385.55,3934.17 v5@3424.17,3934.17
  other v3: 3450,3835 3203.62,4384.37
  other v5: 3425,3935 4090,3945 3810,3975 3950,3975 3925,4145 4210,4245 4245,4835
5VA: C8.1 C16.1 C17.1 R12.1 U4.1 U5.5 | length 168.4
  Top Layer w20: v1(2905,5265) 2905,5260 2945,5220 R12.1@2985,5220
  Bottom Layer w20: C16.1@2363.15,4303.5 C16.1@2365,4303.5 C17.1@2430,4303.5
5VD: C13.1 C14.1 C21.1 P2.1 R13.1 R17.2 R22.2 U6.5 U15.1 | length 2544.8
  Top Layer w20: R13.1@3625,3926.5 v1(3685,3975) ; C21.1@3700,3926.5 3700,3960 v1(3685,3975) ; v3(3720,4005) 3715,4005 v1(3685,3975) ; v3(4110,4059.29) 4141.47,4059.29 P2.1@4156,4073.82 4159.82,4070 4275,4070 4325,4120 4325,4330.04 4285,4370.04 R17.2@4285,4413.5 ; R22.2@4290,3798.5 4290,3750 v3(4295,3745)
  Power w20: v3(3720,4005) 3726.41,4005 3780.71,4059.29 3780.71,4110.71 3865,4195 3974.29,4195 v3(4110,4059.29) 4144.29,4025 4144.29,3980.71 4185,3940 4260,3940 4295,3905 v3(4295,3745)
  Bottom Layer w20: C14.1@3121.5,3930 3200.28,3930 U15.1@3204.45,3934.17 3204.45,3984.45 3235,4015 3645,4015 v1(3685,3975) 3703.5,3956.5 C13.1@3703.5,3925 3703.5,3865.85 U6.5@3699.9,3862.24
AGND: 3.3V.C AGND.1 C2.2 C7.2 C8.2 C9.2 C10.2 C11.2 C12.2 C44.2 C45.2 C46.2 C47.2 D1.2 D2.1 J1.2 NT1.1 NT2.1 NT3.1 NT4.1 R2.2 U1.4 U2.4 U3.4 U4.2 U4.4 U8.31 | length 6365.2
  Top Layer w10: C10.2@2920,4281.5 2983.5,4345 v1@3015,4345 ; v1(3020,4345) v1@3015,4345 ; U8.31@3136.69,4363.94 3106.06,4363.94 3095,4375 3045,4375 v1@3015,4345
  Top Layer w20: R2.2@1535,3478.5 C2.2@1640,3478.5 1673.5,3478.5 1695,3500 v2(1695,3510) U1.4@1755.51,3510 ; R2.2@1535,4958.5 C2.2@1635,4958.5 1641.5,4965 v2(1690,4965) U1.4@1745.51,4965 U1.4@1755.51,4965 ; R2.2@1540,4473.5 C2.2@1620,4473.5 1663.5,4473.5 1690,4500 v2(1695,4500) U1.4@1755.51,4500 ; R2.2@1545,3968.5 C2.2@1650,3968.5 1653.68,3968.5 1685.17,4000 v2(1695,4000) U1.4@1755.51,4000 ; v2(2170,4460) 2175.51,4465.51 U2.4@2175.51,4500 ; v2(2180.51,4925.51) U2.4@2180.51,4965 ; v2(2185,3475) 2185,3504.49 U2.4@2190.51,3510 ; v2(2185.51,3955.51) U2.4@2185.51,3995 ; v2(2540,3510) U3.4@2600.51,3510 ; v2(2545,3995) U3.4@2605.51,3995 ; v2(2545,4500) U3.4@2605.51,4500 ; v2(2545,4965) U3.4@2605.51,4965 U3.4@2620.51,4965 ; C11.2@2613.5,4375 v2@2613.5,4428.5 ; v2(2615,3855) C11.2@2663.5,3855 ; C11.2@2623.5,4855 v2@2623.5,4898.5 ; C10.2@2641.5,5230 v2(2680,5230) ; C11.2@2716.5,3380 v2(2760,3380) ; v2(2785,4855) 2843.5,4855 2890,4901.5 C12.2@2890,4943.5 ; C10.2@2861.5,3715 v2(2905,3715) ; v2@2871.5,4753.5 2871.5,4747.48 C10.2@2901.18,4717.8 ; v2(2875,4275) 2881.5,4281.5 C10.2@2920,4281.5 ; v2(2890,3430) C12.2@2890,3473.5 ; v2(2895,4445) C12.2@2895,4488.5 ; v2(2900,3945) C12.2@2900,3983.5
  Ground w20: v2(2870,4755) 2870,4765 2880,4775 NT3.1@2915,4775 ; v2(2890,3430) 2910,3450 NT1.1@2910,3585 ; v2(2905,3715) 2905,3590.98 NT1.1@2910.98,3585
  Bottom Layer w20: D1.2@800,3610 D2.1@940,3610 ; D1.2@800,4050 D2.1@930,4050 ; D1.2@800,4998.7 D2.1@921.43,4998.7 ; D1.2@820,4550 D2.1@925,4550 ; v4(2075,3610) U4.4@2150.83,3610 2103.5,3657.32 C8.2@2103.5,3730 ; v4(2075,4100) 2150.83,4100 2083.5,4167.32 C8.2@2083.5,4205 ; v4(2075,5070) 2160.83,5070 2160.83,5185.83 2215,5240 C8.2@2243.5,5240 ; v4(2090,4610) U4.4@2160.83,4610 ; C8.2@2261.5,4785 2316.5,4785 C9.2@2380,4848.5 v4@2326.5,4848.5 ; v4(2310,3610) 2435,3610 2465,3580 ; v4(2310,4420) C9.2@2363.5,4420 ; v4(2320,5070) U4.2@2389.17,5070 ; v4(2325,4100) U4.2@2389.17,4100 2440,4100 ; v4(2325,4610) U4.2@2389.17,4610 ; U4.2@2389.17,5065 2420,5065 2505,5150 C7.2@2565,5150 ; C9.2@2390,3378.5 2428.5,3378.5 2465,3415 v4(2465,3475) 2465,3580 ; U4.2@2394.17,4610 2450,4610 2495,4655 C7.2@2560,4655 ; C9.2@2400,3853.5 2433.5,3853.5 2475,3895 2475,4080 2455,4100 2440,4100 ; C7.2@2510,4170 2440,4100 ; C7.2@2590,3645 2540,3645 2475,3580 2465,3580 ; v1(3020,4345) 3020,4360 3055,4395 3161.11,4395 3178.61,4377.5 3201.39,4377.5 3218.89,4395 3295,4395 3301.5,4388.5 C44.2@3301.5,4345 C45.2@3301.5,4285 3358.5,4285 C46.2@3360,4283.5 C47.2@3440,4283.5
  other v1: 475,3395 1200,3400 1765,3405 1265,3535 1495,5260 1830,5260
  other v2: 2985.79,4155 2615,4430 2625,4900 2985.79,5140
  other v4: 870,3610 865,4050 870,4550 2322.95,4852.05 860,4998.7
AVREF1_A1: C12.1@2890,5006.5 R8.2@2546.5,4880 R9.1@2491.5,5180 U3.6@2794.49,5015
AVREF1_A3: C12.1@2900,4046.5 R8.2@2551.5,3915 R9.1@2436.5,4240 U3.6@2794.49,4045
AVREF1_A4: C12.1@2890,3536.5 R8.2@2551.5,3425 R9.1@2426.5,3730 U3.6@2789.49,3560
BP_A1: R10.2@2171.5,5180 T4.1@2765,5250.98 U2.1@2180.51,5115 U2.5@2369.49,4965 | length 973
  Top Layer w10: R10.2@2171.5,5180 2171.5,5124.02 U2.1@2180.51,5115 2220,5115 2260,5155 2275,5155 ; U2.5@2369.49,4965 2325,4965 2275,5015 2275,5155 ; v1(2370,5205) 2360,5205 2310,5155 2275,5155
  Bottom Layer w10: v1(2370,5205) 2425.98,5260.98 2755,5260.98 T4.1@2765,5250.98
BP_A2: R10.2@2176.5,4720 T4.1@2725,4750.98 U2.1@2185.51,4650 U2.5@2374.49,4500 | length 871.6
  Top Layer w10: R10.2@2176.5,4725 R10.2@2176.5,4720 2176.5,4659.02 U2.1@2185.51,4650 v1@2270,4650 ; v1(2275,4655) 2275,4545 2320,4500 U2.5@2374.49,4500
  Bottom Layer w10: v1(2275,4655) 2275,4700 2335.98,4760.98 T4.1@2685,4760.98
BP_A3: R10.2@2181.5,4240 T4.1@2750,4250.98 U2.1@2185.51,4155 U2.5@2374.49,4005 | length 986
  Top Layer w10: U2.1@2185.51,4155 2181.5,4159.02 R10.2@2181.5,4240 2230,4240 v1(2255,4215) 2255,4060 2310,4005 U2.5@2374.49,4005
  Bottom Layer w10: v1(2255,4215) 2310,4215 2355.98,4260.98 2665,4260.98 2675,4250.98 T4.1@2750,4250.98
BP_A4: R10.2@2191.5,3725 T4.1@2765,3760.98 U2.1@2190.51,3660 U2.5@2379.49,3510 | length 913.3
  Top Layer w10: U2.1@2190.51,3660 2191.5,3660.98 R10.2@2191.5,3725 v1@2265,3725 ; v1(2270,3730) 2270,3560 2320,3510 U2.5@2379.49,3510 ; T4.1@2765,3760.98 T4.1@2765.98,3760
  Bottom Layer w10: v1(2270,3730) 2275,3730 2305.98,3760.98 T4.1@2730,3760.98